# Altium PCB 6502_CPU_MainBoard_PCB_V1_2.PcbDoc (part 4 of 5)
Units mil, origin at the board's own origin, x right, y up, seen from the top; angles counter-clockwise.
Board outline 9000 x 6000 mil, 4 copper layers (Top Layer, Plane(GND), Plane(Power), Bottom Layer), stack 23.756 mil thick; 386 components, 378 nets, 1499 pads, 666 vias.
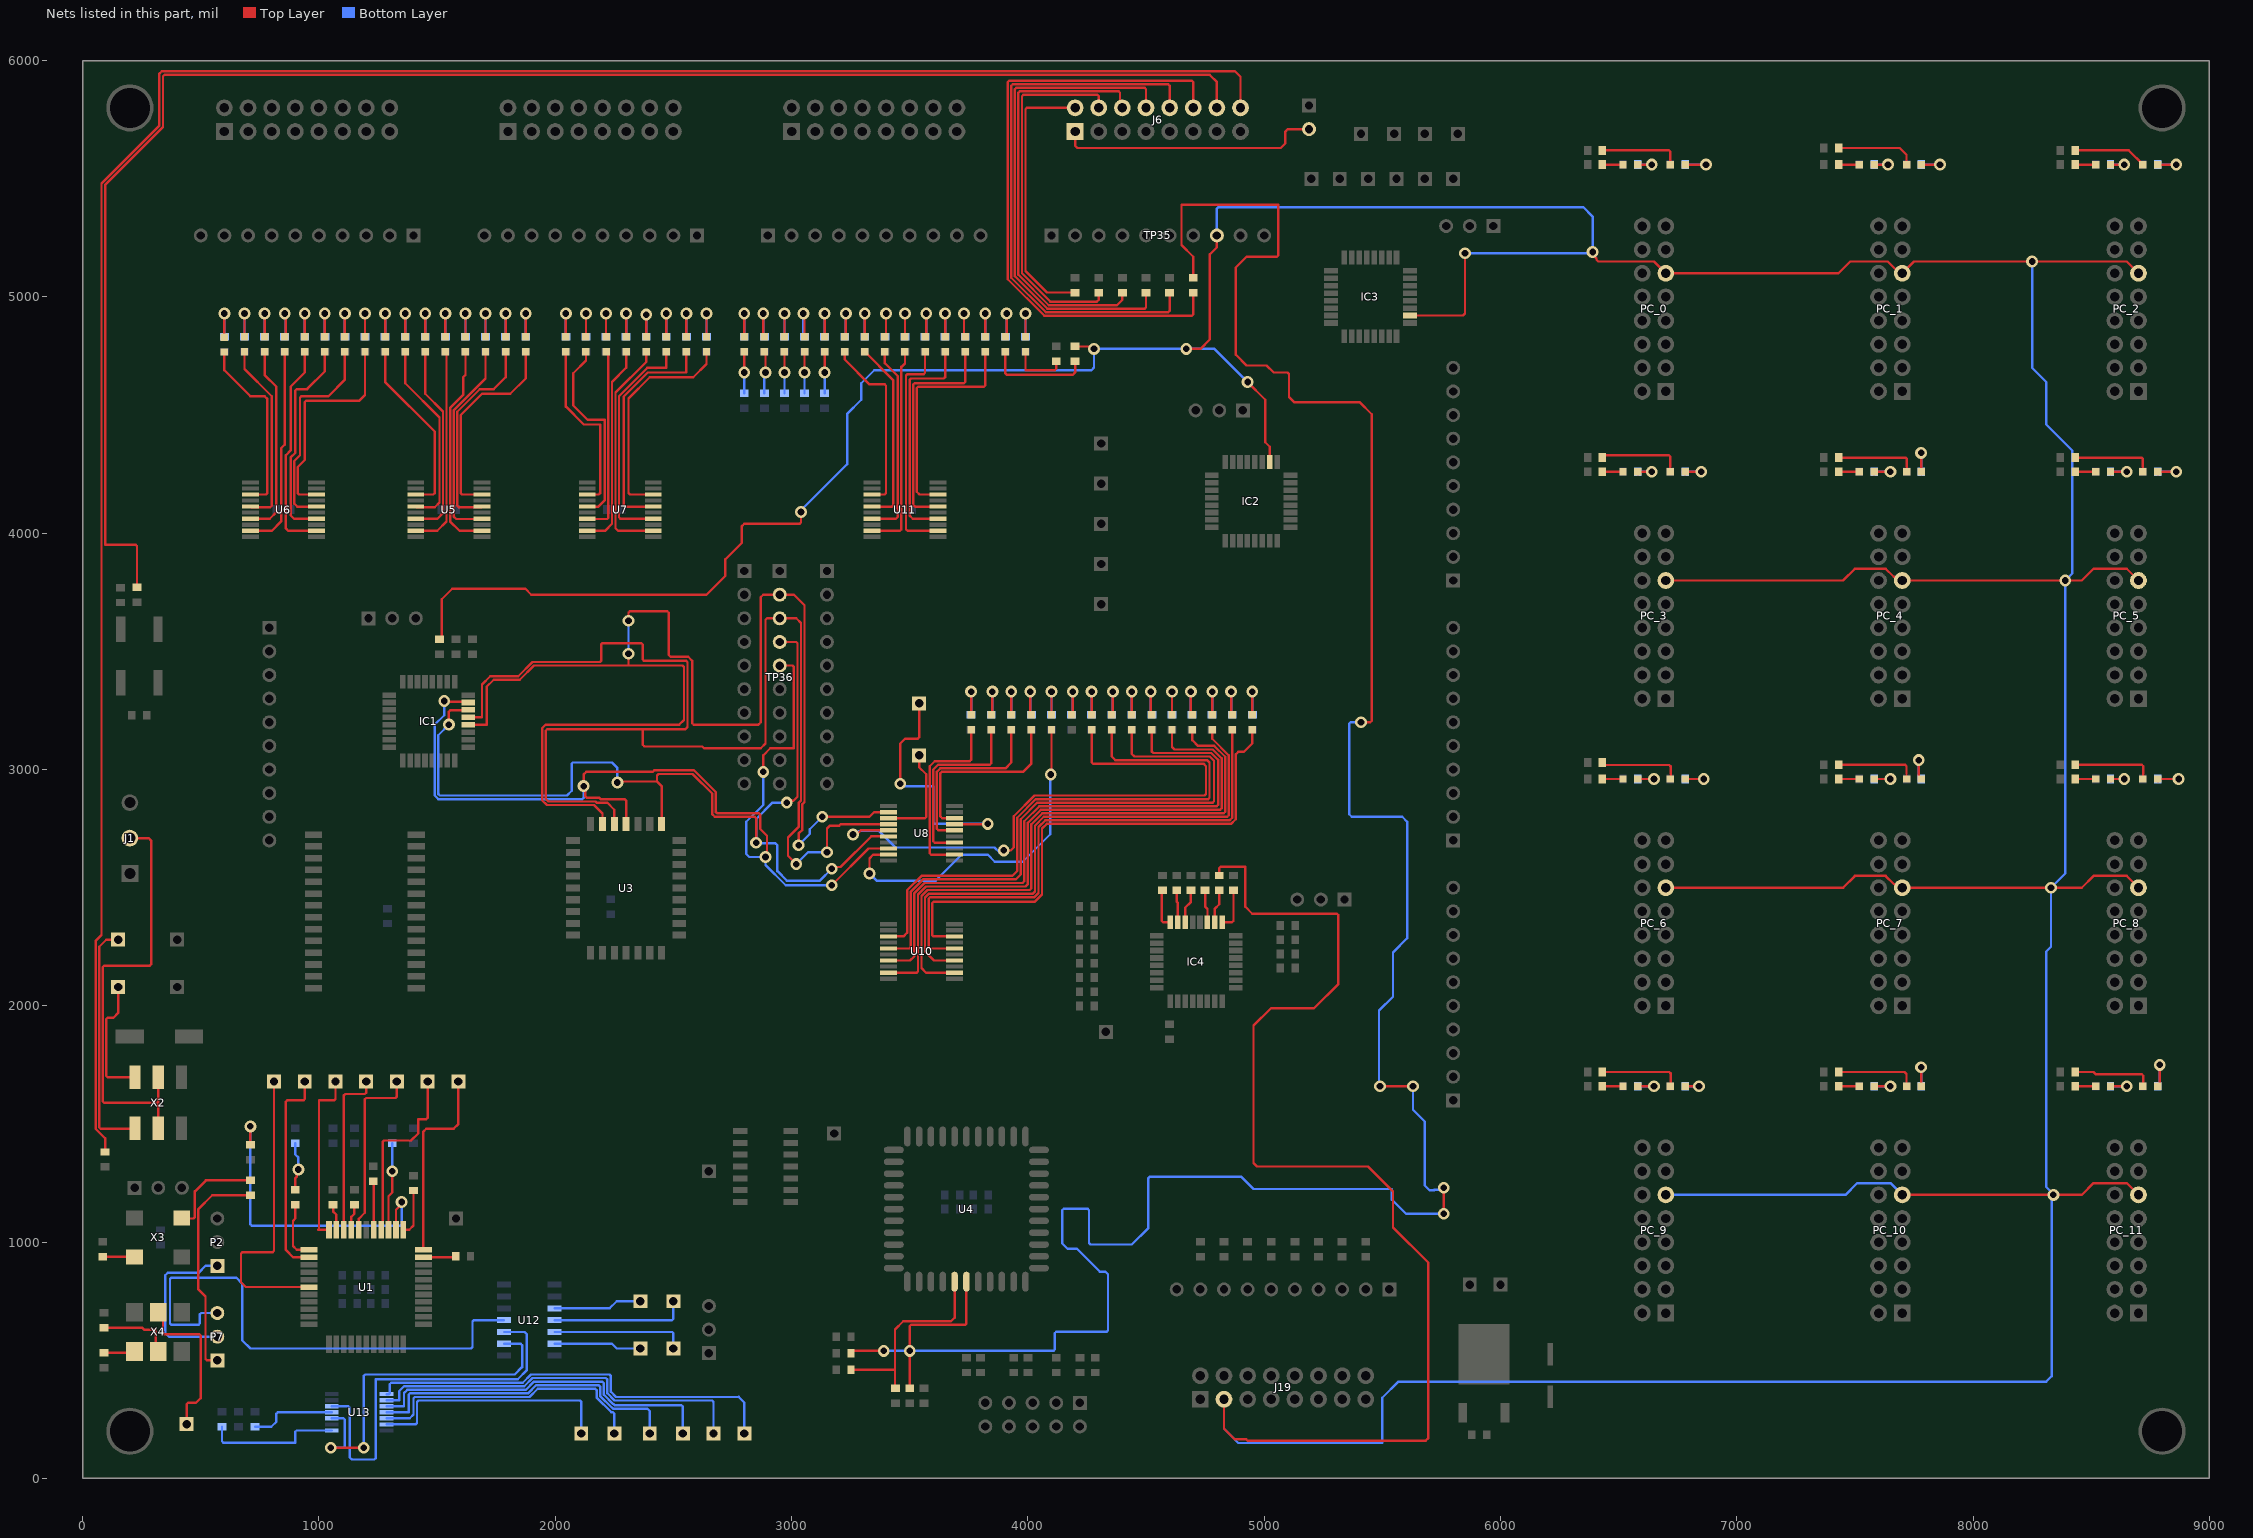
[diagram p6: the nets of this part, all layers, seen from the top]

## Via types
v1: diameter 50, hole 28, Top Layer to Bottom Layer, 666 vias

## Nets (pads, with @x,y where several pads share a name; then routed paths per layer and width w, separated by ;. In a path a pad name is that pad's centre, name@x,y a point inside that pad or via, vN(x,y) a via of type N, cw(c..) or ccw(c..) an arc to the next point about the centre after c; other vN are vias at no path point) (continued)
NetIC4_25: IC4.25 R252.1 | length 178.4
  Top Layer w10: IC4.25@4822.99,2353.7 4864.14,2353.7 4870,2359.56 R252.1@4870,2488.5
NetIC4_26: IC4.26 R250.1 | length 142.5
  Top Layer w10: IC4.26@4791.5,2353.7 4791.5,2411.5 4810,2430 R250.1@4810,2488.5
NetIC4_27: IC4.27 R248.1 | length 138.9
  Top Layer w10: R248.1@4750,2488.5 4750,2420 4760,2410 IC4.27@4760,2353.7
NetIC4_30: IC4.30 R247.2 | length 144.9
  Top Layer w10: IC4.30@4665.51,2353.7 4665.51,2415.51 4690,2440 R247.2@4690,2488.5
NetIC4_31: IC4.31 R249.2 | length 136.5
  Top Layer w10: R249.2@4630,2488.5 4630,2440 4634.02,2435.98 IC4.31@4634.02,2353.7
NetIC4_32: IC4.32 R251.2 | length 175
  Top Layer w10: R251.2@4580,2488.5 4577.05,2488.5 4566.3,2477.76 4566.3,2359.56 4572.16,2353.7 IC4.32@4602.52,2353.7
NetIRQ0_1: IRQ0.1 R111.2 | length 343.6
  Top Layer w10: R111.2@6431.5,5620 6712.65,5620 6718.5,5614.14 IRQ0.1@6718.5,5560
NetIRQ0_2: IRQ0.2 R79.2 | length 187
  Top Layer w10: IRQ0.2@6781.5,5560 v1(6870,5560)
  Bottom Layer w10: R79.2@6771.5,5560 v1(6870,5560)
NetIRQ1_1: IRQ1.1 R110.2 | length 340.3
  Top Layer w10: R110.2@7431.5,5630 7690,5630 7718.5,5601.5 IRQ1.1@7718.5,5560
NetIRQ1_2: IRQ1.2 R78.2 | length 167
  Top Layer w10: IRQ1.2@7781.5,5560 v1(7860,5560)
  Bottom Layer w10: R78.2@7771.5,5560 v1(7860,5560)
NetIRQ2_1: IRQ2.1 R109.2 | length 311.9
  Top Layer w10: R109.2@8431.5,5620 8658.5,5620 IRQ2.1@8718.5,5560
NetIRQ2_2: IRQ2.2 R77.2 | length 147
  Top Layer w10: IRQ2.2@8781.5,5560 v1(8860,5560)
  Bottom Layer w10: R77.2@8791.5,5560 v1(8860,5560)
NetIRQ3_1: IRQ3.1 R108.2 | length 357.7
  Top Layer w10: R108.2@6431.5,4320 6441.5,4330 6712.65,4330 6718.5,4324.14 IRQ3.1@6718.5,4260
NetIRQ3_2: IRQ3.2 R76.2 | length 151.2
  Top Layer w10: IRQ3.2@6781.5,4250 6791.5,4260 v1(6850,4260)
  Bottom Layer w10: R76.2@6771.5,4260 v1(6850,4260)
NetIRQ4_1: IRQ4.1 R107.2 | length 345.7
  Top Layer w10: R107.2@7431.5,4320 7714.14,4320 7720,4314.14 7720,4261.5 IRQ4.1@7718.5,4260
NetIRQ4_2: IRQ4.2 R75.2 | length 171.9
  Top Layer w10: v1(7780,4340) 7780,4251.5 IRQ4.2@7781.5,4250
  Bottom Layer w10: v1(7780,4340) 7780,4262.99 R75.2@7782.99,4260
NetIRQ5_1: IRQ5.1 R106.2 | length 343.6
  Top Layer w10: R106.2@8431.5,4320 8712.65,4320 8718.5,4314.14 IRQ5.1@8718.5,4260
NetIRQ5_2: IRQ5.2 R74.2 | length 171.2
  Top Layer w10: IRQ5.2@8781.5,4250 8791.5,4260 v1(8860,4260)
  Bottom Layer w10: R74.2@8771.5,4260 v1(8860,4260)
NetIRQ6_1: IRQ6.1 R105.2 | length 349.4
  Top Layer w10: R105.2@6431.5,3030 6431.5,3029.89 6442.24,3019.14 6714.14,3019.14 6720,3013.28 6720,2961.5 IRQ6.1@6718.5,2960
NetIRQ6_2: IRQ6.2 R73.2 | length 167
  Top Layer w10: IRQ6.2@6781.5,2960 v1(6860,2960)
  Bottom Layer w10: R73.2@6771.5,2960 v1(6860,2960)
NetIRQ7_1: IRQ7.1 R104.2 | length 343.6
  Top Layer w10: R104.2@7431.5,3020 7712.65,3020 7718.5,3014.14 IRQ7.1@7718.5,2960
NetIRQ7_2: IRQ7.2 R72.2 | length 165.4
  Top Layer w10: v1(7770,3040) 7770.75,3039.25 7770.75,2970.75 IRQ7.2@7781.5,2960
  Bottom Layer w10: v1(7770,3040) 7770,2961.5 R72.2@7771.5,2960
NetIRQ8_1: IRQ8.1 R293.2 | length 345.7
  Top Layer w10: R293.2@8431.5,3020 8714.14,3020 8720,3014.14 8720,2961.5 IRQ8.1@8718.5,2960
NetIRQ8_2: IRQ8.2 R282.2 | length 171.2
  Top Layer w10: IRQ8.2@8781.5,2950 8791.5,2960 v1(8870,2960)
  Bottom Layer w10: R282.2@8791.5,2960 v1(8870,2960)
NetIRQ9_1: IRQ9.1 R291.2 | length 345.7
  Top Layer w10: R291.2@6431.5,1720 6714.14,1720 6720,1714.14 6720,1661.5 IRQ9.1@6718.5,1660
NetIRQ9_2: IRQ9.2 R281.2 | length 121.2
  Top Layer w10: IRQ9.2@6781.5,1660 v1(6840,1660)
  Bottom Layer w10: R281.2@6781.5,1650 6791.5,1660 v1(6840,1660)
NetIRQ10_1: IRQ10.1 R289.2 | length 342
  Top Layer w10: R289.2@7431.5,1720 7710,1720 7718.5,1711.5 IRQ10.1@7718.5,1660
NetIRQ10_2: IRQ10.2 R280.2 | length 153.7
  Top Layer w10: v1(7780,1740) 7780,1670.75 7790.75,1660 IRQ10.2@7791.5,1660
  Bottom Layer w10: R280.2@7780,1671.5 v1(7780,1740)
NetIRQ11_1: IRQ11.1 R287.2 | length 339.8
  Top Layer w10: R287.2@8431.5,1720 8510,1720 8520,1710 8714.14,1710 8720,1704.14 8720,1661.5 IRQ11.1@8718.5,1660
NetIRQ11_2: IRQ11.2 R279.2 | length 187
  Top Layer w10: IRQ11.2@8781.5,1660 8790,1668.5 v1(8790,1750)
  Bottom Layer w10: R279.2@8781.5,1660 8790,1668.5 v1(8790,1750)
NetJ1_2: J1.2 X2.2 X2.5 | length 1850.4
  Top Layer w10: J1.2@200,2710 280,2710 290,2700 290,2175.86 284.14,2170 90.86,2170 85,2164.14 85,1595.86 90.86,1590 320,1590 ; X2.2@320,1481.73 320,1590 ; X2.5@320,1698.27 320,1590
NetJ2_2: J2.2 J6.1 | length 1116.6
  Top Layer w10: J6.1@4200,5700 4200,5640 4210,5630 5070,5630 5090,5650 5090,5700 5100,5710 J2.2@5190,5710
NetJ6_2: J6.2 R165.2 | length 1154.5
  Top Layer w10: R165.2@4200,5018.5 4081.5,5018.5 3990,5110 3990,5794.14 3995.86,5800 J6.2@4200,5800
  Bottom Layer w10: J6.2@4200,5800 J6.2@4210,5800
NetJ6_4: J6.4 R169.2 | length 1546.8
  Top Layer w10: R169.2@4300,5018.5 4300,4987.76 4292.24,4980 4095,4980 3975,5100 3975,5849.14 3980.86,5855 4294.14,5855 4300,5849.14 J6.4@4300,5800
  Bottom Layer w10: J6.4@4300,5790 J6.4@4300,5800
NetJ6_6: J6.6 R173.2 | length 1807
  Top Layer w10: R173.2@4400,5018.5 4400,4987.76 4377.24,4965 4088.79,4965 3960,5093.79 3960,5864.14 3965.86,5870 4384.14,5870 4390,5864.14 4390,5810 J6.6@4400,5800
NetJ6_8: J6.8 R177.2 | length 2107.6
  Top Layer w10: R177.2@4500,5018.5 4500,4955.86 4494.14,4950 4082.57,4950 3945,5087.57 3945,5879.14 3950.86,5885 4494.14,5885 4500,5879.14 J6.8@4500,5800
NetJ6_10: J6.10 R181.2 | length 2392.5
  Top Layer w10: R181.2@4600,5018.5 4600,4940.86 4594.14,4935 4076.36,4935 3930,5081.36 3930,5894.14 3935.86,5900 4594.14,5900 4600,5894.14 J6.10@4600,5800
NetJ6_12: J6.12 R185.2 | length 2677.3
  Top Layer w10: R185.2@4700,5018.5 4700,4925.86 4694.14,4920 4070.15,4920 3915,5075.15 3915,5909.14 3920.86,5915 4694.14,5915 4700,5909.14 J6.12@4700,5800
NetJ6_14: J6.14 R189.2 | length 6979.7
  Top Layer w10: R189.2@230,3771.5 230,3945.36 224.14,3951.21 95,3951.21 95,5473.79 340,5718.79 340,5933.54 346.46,5940 4769.14,5940 4800,5909.14 J6.14@4800,5800
NetJ6_16: J6.16 R192.2 | length 9412.4
  Top Layer w10: R192.2@95,1381.5 95,1439.64 55,1479.64 55,2275 80,2300 80,5480 325,5725 325,5945 335,5955 4876.72,5955 4900,5931.72 J6.16@4900,5800
NetLED9_1: LED9.1 U5.18 | length 875.1
  Top Layer w10: U5.18@1689.76,4163.98 1605.86,4163.98 1600,4169.83 1600,4500 1690,4590 1810,4590 1875,4655 LED9.1@1875,4768.5
NetLED9_2: LED9.2 R80.1 | length 203.2
  Top Layer w10: LED9.2@1875,4831.5 v1(1875,4930)
  Bottom Layer w10: v1@1860,4930 1875,4915 R80.1@1875,4831.5
NetLED10_1: LED10.1 U5.16 | length 879.8
  Top Layer w10: U5.16@1689.76,4112.8 1686.97,4110 1591.72,4110 1585,4116.72 1585,4513.79 1680.61,4609.39 1739.39,4609.39 1790,4660 LED10.1@1790,4768.5
NetLED10_2: LED10.2 R81.1 | length 197
  Top Layer w10: LED10.2@1790,4831.5 v1(1790,4930)
  Bottom Layer w10: R81.1@1790,4831.5 v1(1790,4930)
NetLED11_1: LED11.1 U5.14 | length 878.3
  Top Layer w10: U5.14@1689.76,4061.61 1688.15,4060 1581.21,4060 1570,4071.21 1570,4520 1705,4655 LED11.1@1705,4768.5
NetLED11_2: LED11.2 R82.1 | length 197
  Top Layer w10: LED11.2@1705,4831.5 v1(1705,4930)
  Bottom Layer w10: R82.1@1705,4831.5 v1(1705,4930)
NetLED12_1: LED12.1 U5.12 | length 896.6
  Top Layer w10: LED12.1@1620,4768.5 1620,4670 1610,4660 1610,4585 1555,4530 1555,4050 1594.57,4010.43 U5.12@1689.76,4010.43
NetLED12_2: LED12.2 R83.1 | length 197
  Top Layer w10: LED12.2@1620,4831.5 v1(1620,4930)
  Bottom Layer w10: R83.1@1620,4831.5 v1(1620,4930)
NetLED13_1: LED13.1 U5.9 | length 866.7
  Top Layer w10: U5.9@1410.24,4010.43 1500.43,4010.43 1540,4050 1540,4763.5 LED13.1@1535,4768.5
NetLED13_2: LED13.2 R84.1 | length 197
  Top Layer w10: LED13.2@1535,4831.5 v1(1535,4930)
  Bottom Layer w10: R84.1@1535,4831.5 v1(1535,4930)
NetLED14_1: LED14.1 U5.7 | length 839
  Top Layer w10: U5.7@1410.24,4061.61 1501.61,4061.61 1525,4085 1525,4515 1450,4590 LED14.1@1450,4768.5
NetLED14_2: LED14.2 R85.1 | length 197
  Top Layer w10: LED14.2@1450,4831.5 v1(1450,4930)
  Bottom Layer w10: R85.1@1450,4831.5 v1(1450,4930)
NetLED15_1: LED15.1 U5.5 | length 807.8
  Top Layer w10: LED15.1@1365,4768.5 1365,4635 1510,4490 1510,4130 1490,4110 1413.03,4110 U5.5@1410.24,4112.8
NetLED15_2: LED15.2 R86.1 | length 197
  Top Layer w10: LED15.2@1365,4831.5 v1(1365,4930)
  Bottom Layer w10: R86.1@1365,4831.5 v1(1365,4930)
NetLED16_1: LED16.1 U5.3 | length 767.8
  Top Layer w10: LED16.1@1280,4768.5 1280,4640 1490,4430 1490,4169.83 1484.14,4163.98 U5.3@1410.24,4163.98
NetLED16_2: LED16.2 R87.1 | length 197
  Top Layer w10: LED16.2@1280,4831.5 v1(1280,4930)
  Bottom Layer w10: R87.1@1280,4831.5 v1(1280,4930)
NetLED17_1: LED17.1 U6.18 | length 930.2
  Top Layer w10: U6.18@989.76,4163.98 915.86,4163.98 910,4169.83 910,4280 940,4310 940,4554.14 945.86,4560 1170,4560 1195,4585 LED17.1@1195,4768.5
NetLED17_2: LED17.2 R88.1 | length 197
  Top Layer w10: LED17.2@1195,4831.5 v1(1195,4930)
  Bottom Layer w10: R88.1@1195,4831.5 v1(1195,4930)
NetLED18_1: LED18.1 U6.16 | length 898.7
  Top Layer w10: U6.16@989.76,4112.8 908.06,4112.8 895,4125.86 895,4305 920,4330 920,4574.14 925.86,4580 1040,4580 1110,4650 LED18.1@1110,4768.5
NetLED18_2: LED18.2 R89.1 | length 197
  Top Layer w10: LED18.2@1110,4831.5 v1(1110,4930)
  Bottom Layer w10: R89.1@1110,4831.5 v1(1110,4930)
NetLED19_1: LED19.1 U6.14 | length 894.2
  Top Layer w10: U6.14@989.76,4061.61 894.24,4061.61 880,4075.86 880,4320 900,4340 900,4604.14 905.86,4610 950,4610 1025,4685 LED19.1@1025,4768.5
NetLED19_2: LED19.2 R90.1 | length 197
  Top Layer w10: LED19.2@1025,4831.5 v1(1025,4930)
  Bottom Layer w10: R90.1@1025,4831.5 v1(1025,4930)
NetLED20_1: LED20.1 U6.12 | length 915.4
  Top Layer w10: LED20.1@940,4768.5 940,4680 880,4620 880,4350 860,4330 860,4020 869.57,4010.43 U6.12@989.76,4010.43
NetLED20_2: LED20.2 R91.1 | length 197
  Top Layer w10: LED20.2@940,4831.5 v1(940,4930)
  Bottom Layer w10: R91.1@940,4831.5 v1(940,4930)
NetLED21_1: LED21.1 U6.9 | length 871.2
  Top Layer w10: U6.9@710.24,4010.43 710.67,4010 800,4010 840,4050 840,4360 855,4375 LED21.1@855,4768.5
NetLED21_2: LED21.2 R92.1 | length 201.2
  Top Layer w10: LED21.2@855,4831.5 860,4836.5 v1@860,4930
  Bottom Layer w10: R92.1@855,4831.5 860,4836.5 v1@860,4930
  other v1: 855,4930
NetLED22_1: LED22.1 U6.7 | length 820.7
  Top Layer w10: U6.7@710.24,4061.61 791.61,4061.61 820,4090 820,4620 770,4670 LED22.1@770,4768.5
NetLED22_2: LED22.2 R93.1 | length 197
  Top Layer w10: LED22.2@770,4831.5 v1(770,4930)
  Bottom Layer w10: R93.1@770,4831.5 v1(770,4930)
NetLED23_1: LED23.1 U6.5 | length 793.6
  Top Layer w10: LED23.1@685,4768.5 685,4695 800,4580 800,4115.86 794.14,4110 713.03,4110 U6.5@710.24,4112.8
NetLED23_2: LED23.2 R94.1 | length 197
  Top Layer w10: LED23.2@685,4831.5 v1(685,4930)
  Bottom Layer w10: R94.1@685,4831.5 v1(685,4930)
NetLED24_1: LED24.1 U6.3 | length 781.7
  Top Layer w10: LED24.1@600,4767 600,4690 710,4580 770,4580 781.88,4568.12 781.88,4169.83 776.02,4163.98 U6.3@710.24,4163.98
NetLED24_2: LED24.2 R95.1 | length 198.5
  Top Layer w10: LED24.2@600,4830 v1(600,4930)
  Bottom Layer w10: R95.1@600,4831.5 v1(600,4930)
NetLED25_1: LED25.1 U7.18 | length 950.4
  Top Layer w10: U7.18@2414.76,4163.98 2315.86,4163.98 2310,4169.83 2310,4570 2400,4660 2584.14,4660 2640,4715.86 LED25.1@2640,4768.5
NetLED25_2: LED25.2 R96.2 | length 197
  Top Layer w10: LED25.2@2640,4831.5 v1(2640,4930)
  Bottom Layer w10: R96.2@2640,4831.5 v1(2640,4930)
NetLED26_1: LED26.1 U7.16 | length 982.8
  Top Layer w10: U7.16@2414.76,4112.8 2295.86,4112.8 2290,4118.65 2290,4578.79 2391.21,4680 2555,4680 LED26.1@2555,4768.5
NetLED26_2: LED26.2 R97.2 | length 197
  Top Layer w10: LED26.2@2555,4831.5 v1(2555,4930)
  Bottom Layer w10: R97.2@2555,4831.5 v1(2555,4930)
NetLED27_1: LED27.1 U7.14 | length 977.9
  Top Layer w10: U7.14@2414.76,4061.61 2275.86,4061.61 2270,4067.47 2270,4580 2390,4700 2470,4700 LED27.1@2470,4768.5
NetLED27_2: LED27.2 R98.2 | length 197
  Top Layer w10: LED27.2@2470,4831.5 v1(2470,4930)
  Bottom Layer w10: R98.2@2470,4831.5 v1(2470,4930)
NetLED28_1: LED28.1 U7.12 | length 965.3
  Top Layer w10: LED28.1@2385,4768.5 2385,4725 2255,4595 2255,4021.29 2265.86,4010.43 U7.12@2414.76,4010.43
NetLED28_2: LED28.2 R99.2 | length 187
  Top Layer w10: LED28.2@2385,4831.5 v1(2385,4925)
  Bottom Layer w10: R99.2@2385,4831.5 v1(2385,4925)
NetLED29_1: LED29.1 U7.9 | length 895.7
  Top Layer w10: U7.9@2110.24,4010.43 U7.9@2135.24,4010.43 2135.67,4010 2210,4010 2240,4040 2240,4640 2300,4700 LED29.1@2300,4768.5
NetLED29_2: LED29.2 R100.2 | length 197
  Top Layer w10: LED29.2@2300,4831.5 v1(2300,4930)
  Bottom Layer w10: R100.2@2300,4831.5 v1(2300,4930)
NetLED30_1: LED30.1 U7.7 | length 824.6
  Top Layer w10: U7.7@2110.24,4061.61 U7.7@2135.24,4061.61 2136.85,4060 2219.14,4060 2225,4065.86 2225,4758.5 LED30.1@2215,4768.5
NetLED30_2: LED30.2 R101.2 | length 197
  Top Layer w10: LED30.2@2215,4831.5 v1(2215,4930)
  Bottom Layer w10: R101.2@2215,4831.5 v1(2215,4930)
NetLED31_1: LED31.1 U7.5 | length 835.2
  Top Layer w10: LED31.1@2130,4768.5 2130,4731 2076,4677 2076,4541 2137,4480 2210,4480 2210,4140 2182.8,4112.8 U7.5@2135.24,4112.8
NetLED31_2: LED31.2 R102.2 | length 197
  Top Layer w10: LED31.2@2130,4831.5 v1(2130,4930)
  Bottom Layer w10: R102.2@2130,4831.5 v1(2130,4930)
NetLED32_1: LED32.1 U7.3 | length 781.5
  Top Layer w10: LED32.1@2045,4768.5 2045,4536 2121,4460 2190,4460 2190,4169.72 2184.14,4163.86 2135.35,4163.86 U7.3@2135.24,4163.98 U7.3@2110.24,4163.98
NetLED32_2: LED32.2 R103.2 | length 209
  Top Layer w10: LED32.2@2045,4831.5 v1(2045,4930) ; v1@2050,4925.75 v1@2054.25,4930
  Bottom Layer w10: R103.2@2045,4831.5 v1(2045,4930) ; v1@2050,4925.75 v1@2054.25,4930
NetLED33_1: LED33.1 U8.18 | length 790.7
  Top Layer w10: U8.18@3689.76,2793.98 3637.9,2793.98 3630,2801.87 3630,2984.14 3635.86,2990 3980,2990 4015,3025 LED33.1@4015,3168.5
NetLED33_2: LED33.2 R112.2 | length 201.2
  Top Layer w10: v1(4010,3330) 4010,3236.5 LED33.2@4015,3231.5
  Bottom Layer w10: v1(4010,3330) 4010,3236.5 R112.2@4015,3231.5
NetLED34_1: LED34.1 U8.16 | length 788.8
  Top Layer w10: U8.16@3689.76,2742.8 3620.86,2742.8 3615,2748.65 3615,2990.36 3629.64,3005 3905,3005 3930,3030 LED34.1@3930,3168.5
NetLED34_2: LED34.2 R113.2 | length 197
  Top Layer w10: LED34.2@3930,3231.5 v1(3930,3330)
  Bottom Layer w10: R113.2@3930,3231.5 v1(3930,3330)
NetLED35_1: LED35.1 U8.14 | length 795.4
  Top Layer w10: U8.14@3689.76,2691.61 3688.15,2690 3605.86,2690 3600,2695.86 3600,3000 3620,3020 3839.14,3020 3845,3025.86 LED35.1@3845,3168.5
NetLED35_2: LED35.2 R114.2 | length 201.2
  Top Layer w10: LED35.2@3845,3231.5 3850,3236.5 v1(3850,3330)
  Bottom Layer w10: R114.2@3845,3231.5 3850,3236.5 v1(3850,3330)
NetLED36_1: LED36.1 U8.12 | length 789.4
  Top Layer w10: U8.12@3689.76,2640.43 3689.33,2640 3590.86,2640 3585,2645.86 3585,3014.14 3605.86,3035 3754.14,3035 3760,3040.86 LED36.1@3760,3168.5
NetLED36_2: LED36.2 R115.2 | length 197
  Top Layer w10: LED36.2@3760,3231.5 v1(3760,3330)
  Bottom Layer w10: R115.2@3760,3231.5 v1(3760,3330)
NetLED37_1: LED37.1 U8.9 | length 1479
  Top Layer w10: v1(3330,2560) 3330,2624.14 3345.86,2640 3409.8,2640 U8.9@3410.24,2640.43 ; v1(4096.8,2978.93) 4100,2982.14 LED37.1@4100,3168.5
  Bottom Layer w10: v1(3330,2560) 3360,2530 3610,2530 3720,2640 3830,2640 3860,2610 3978.79,2610 4095,2726.21 4095,2977.14 v1(4096.8,2978.93)
NetLED37_2: LED37.2 R116.2 | length 197
  Top Layer w10: LED37.2@4100,3231.5 v1(4100,3330)
  Bottom Layer w10: R116.2@4100,3231.5 v1(4100,3330)
NetLED38_2: LED38.2 R117.2 | length 201.2
  Top Layer w10: LED38.2@4185,3231.5 4190,3236.5 v1(4190,3330)
  Bottom Layer w10: R117.2@4185,3231.5 4190,3236.5 v1(4190,3330)
NetLED39_1: LED39.1 U8.5 | length 2623.3
  Top Layer w10: v1@3260,2720 3270.82,2720 3293.62,2742.8 U8.5@3410.24,2742.8 ; v1@3890,2650 v1(3897.65,2657.65) 3927.65,2657.65 3940,2670 3940,2802.43 4027.57,2890 4748.08,2890 4753.93,2895.86 4753.93,3014.14 4743.08,3025 4275.86,3025 4270,3030.86 LED39.1@4270,3168.5
  Bottom Layer w10: v1(3260,2725) 3270.82,2725 3285.82,2740 3370,2740 3440,2670 3859.18,2670 3879.18,2650 v1@3890,2650
NetLED39_2: LED39.2 R118.2 | length 197
  Top Layer w10: LED39.2@4270,3231.5 v1(4270,3330)
  Bottom Layer w10: R118.2@4270,3231.5 v1(4270,3330)
NetLED48_1: LED48.1 R137.2 | length 442.7
  Top Layer w10: LED48.1@3905,4768.5 3905,4675.86 3910.86,4670 4190,4670 4200,4680 R137.2@4200,4728.5
NetLED48_2: LED48.2 R135.2 | length 201.2
  Top Layer w10: LED48.2@3905,4831.5 3910,4836.5 v1(3910,4930)
  Bottom Layer w10: R135.2@3905,4831.5 3910,4836.5 v1(3910,4930)
NetLED49_1: LED49.1 R138.2 | length 243.6
  Top Layer w10: LED49.1@3990,4768.5 3990,4690 4114.14,4690 4120,4695.86 R138.2@4120,4728.5
NetLED49_2: LED49.2 R136.2 | length 197
  Top Layer w10: LED49.2@3990,4831.5 v1(3990,4930)
  Bottom Layer w10: R136.2@3990,4831.5 v1(3990,4930)
NetLED50_1: LED50.1 R288.2 | length 181.2
  Top Layer w10: LED50.1@2885,4768.5 2890,4763.5 v1(2890,4680)
  Bottom Layer w10: R288.2@2885,4591.5 2885,4675 v1(2890,4680)